# Altium PCB LimeKEY-RPCM_1v2.PcbDoc (part 2 of 8)
Units mm, origin at the board's own origin, x right, y up, seen from the top; angles counter-clockwise.
Board outline 170 x 110 mm, 6 copper layers (Top, L2, L3, L4, L5, Bottom), stack 1.583 mm thick; 727 components, 437 nets, 3165 pads, 1376 vias.
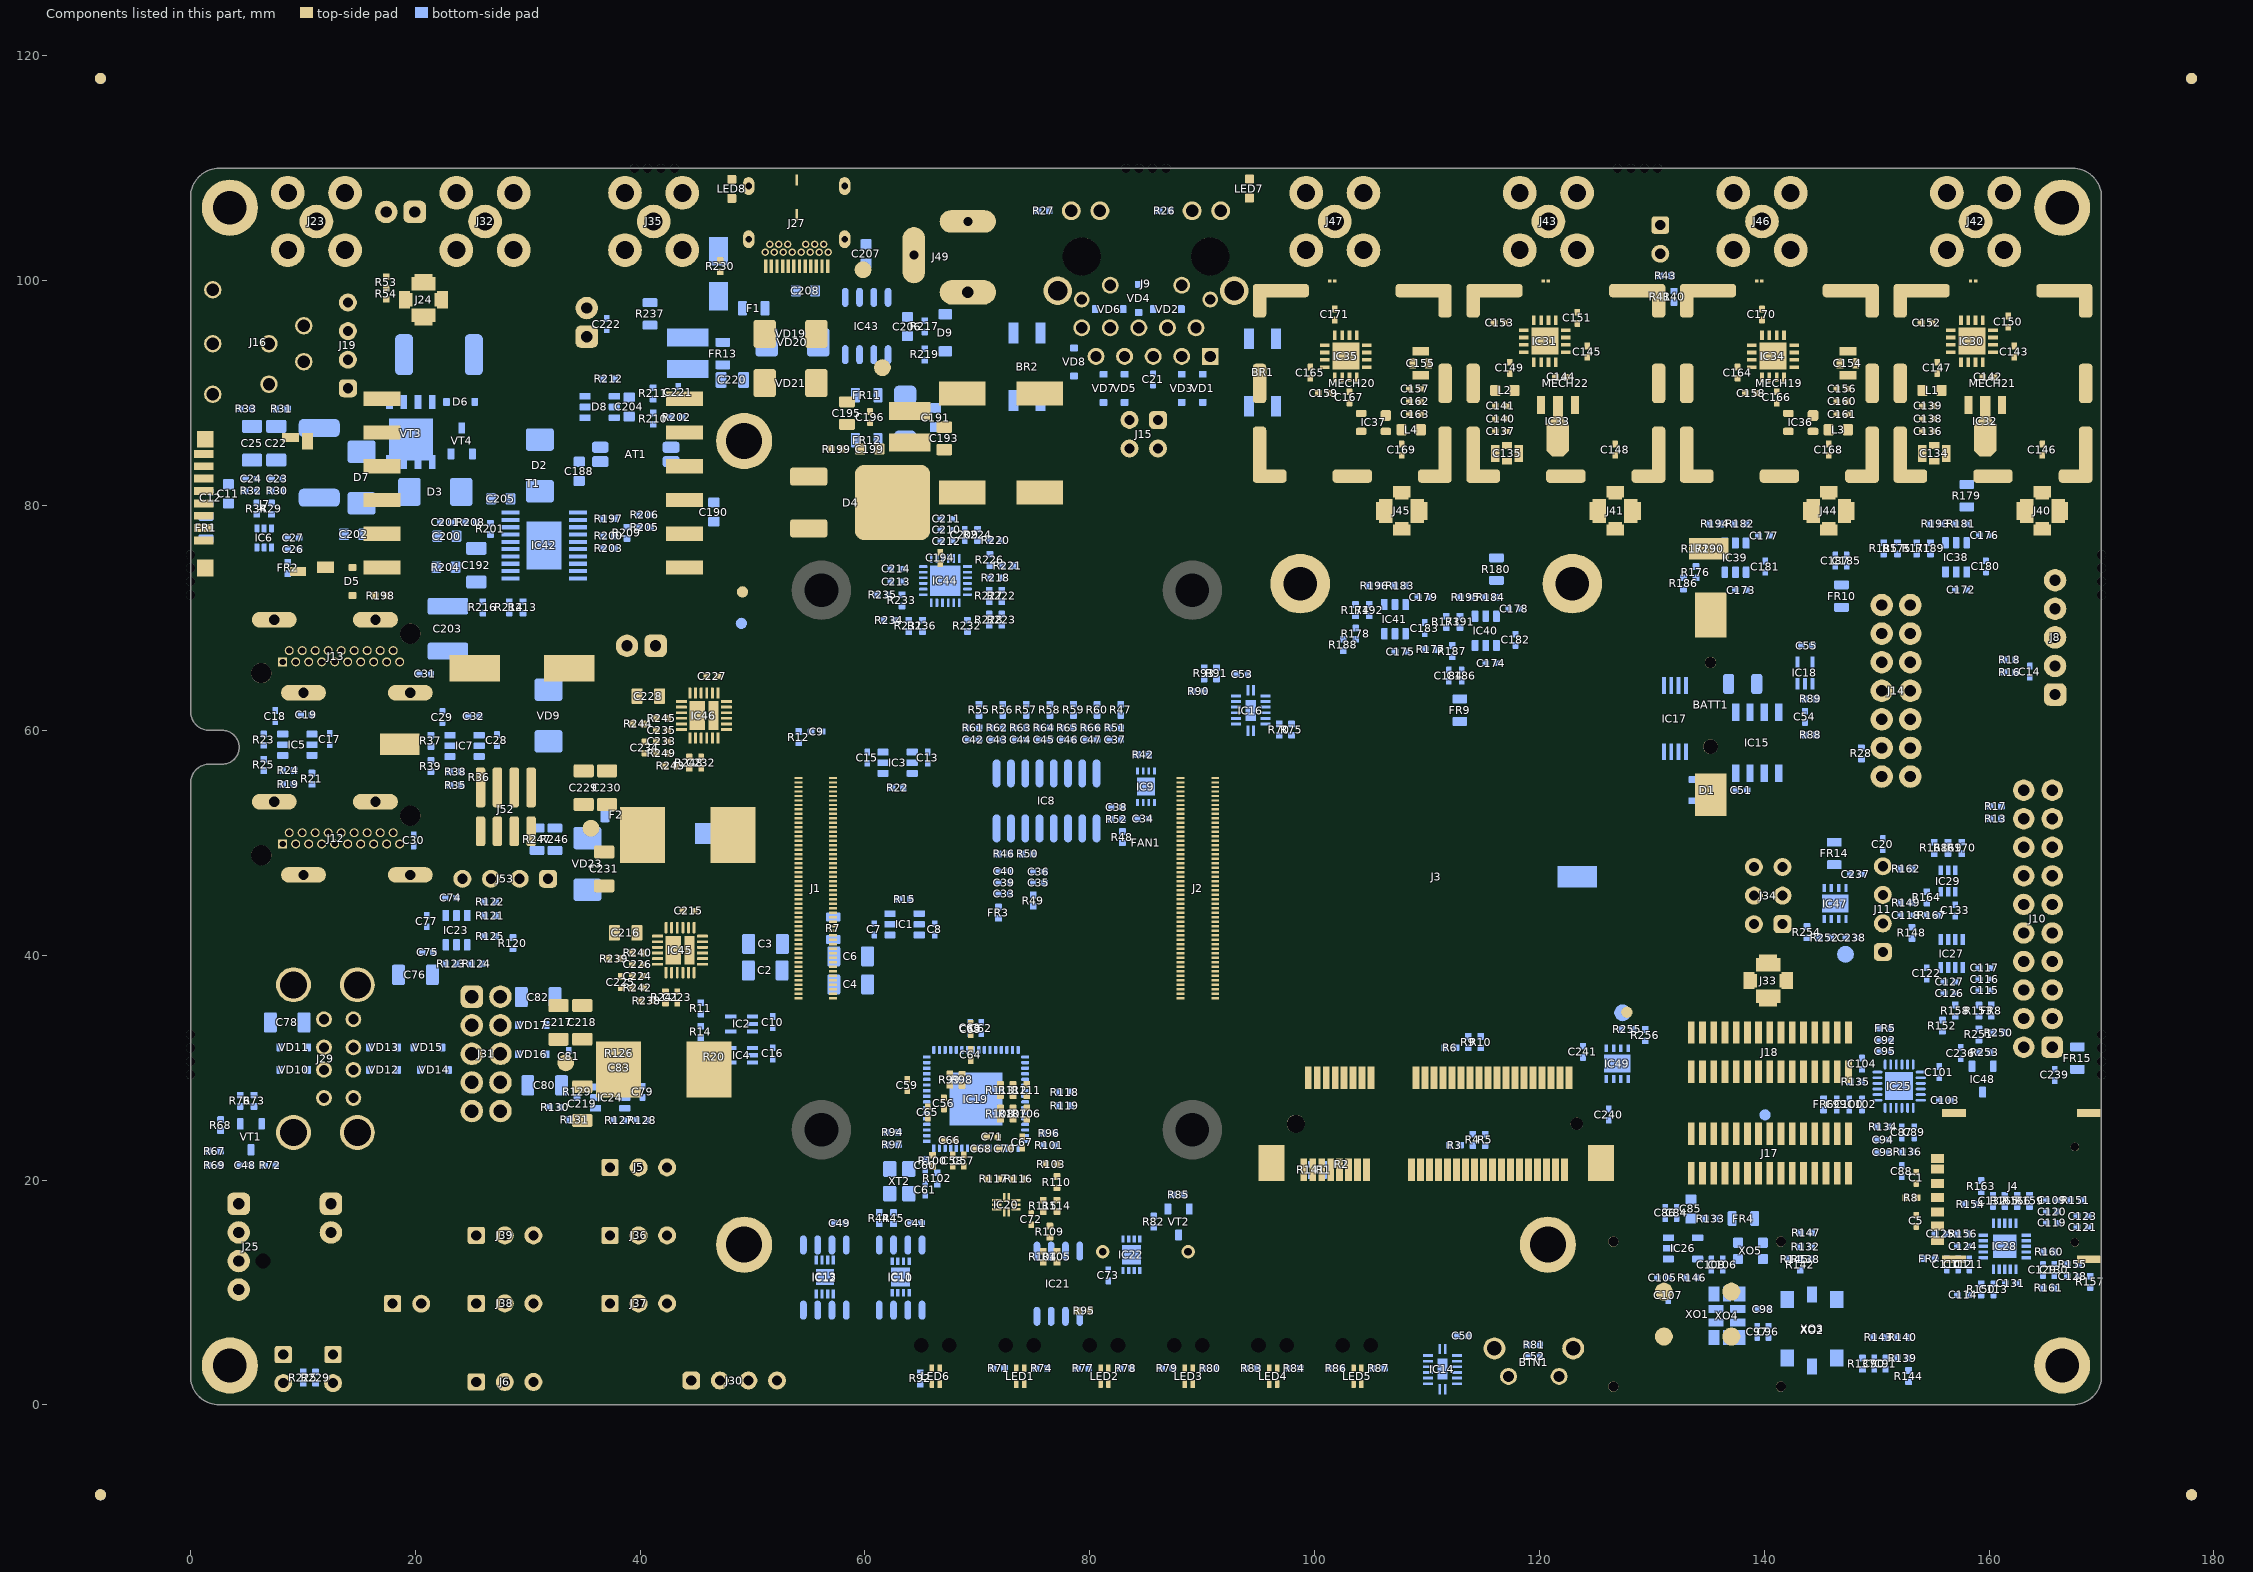
[diagram p6: the components of this part, seen from the top]

## Components (designator, comment, footprint, x,y, rotation, side; value= is the part's Value field where it differs from the comment) (continued)
R239 "44.2k, 1%" RES0402#2 37.7,39.7 r180 top
R240 "100k, 1%" RES0402#2 39.8,40.2 r180 top
R241 "2.21k, 1%" RES0402#2 42.25,36.25 r90 top
R242 "44.2k, 1%" RES0402#2 39.8,37.1 r0 top
R243 "22k, 1%" RES0402#2 42.709,56.834 r180 top
R244 "44.2k, 1%" RES0402#2 39.825,60.575 r180 top
R245 "100k, 1%" RES0402#2 41.925,61.075 r180 top
R246 "100R, 1%" RES0805 32.42,50.314 r270 bottom
R247 "100R, 1%" RES0805 30.825,50.325 r270 bottom
R248 "3k, 1%" RES0402#2 44.375,57.125 r90 top
R249 "44.2k, 1%" RES0402#2 41.925,57.975 r0 top
R250 "1k, 1%" RES0402#1 160.875,33.125 r0 bottom
R251 "0R" RES0402#1 159.1,32.95 r270 bottom
R252 "1.6k, 1%" RES0402#1 145.4,41.55 r0 bottom
R253 "0R" RES0402#1 159.6,31.35 r180 bottom
R254 "510R, 1%" RES0402#1 143.8,42.05 r90 bottom
R255 "1k, 1%" RES0402#1 127.825,33.4 r180 bottom
R256 "1.2k, 1%" RES0402#1 129.425,32.9 r270 bottom
T1 "POE300F-12LD" POE300F50LD_TRANSFORMER 30.5,82 r0 top
TP1 "TESTPOINT_PAD" TP_PAD_1P5MM 61.55,92.275 r0 top
TP2 "TESTPOINT_PAD" TP_PAD_1P5MM 59.825,100.975 r0 top
TP3 "TESTPOINT_PAD" TP_PAD_1P5MM 33.375,30.425 r90 top
TP4 "TESTPOINT_PAD" TP_PAD_1P5MM 35.625,51.3 r180 top
TP5 "TESTPOINT_PAD" TP_PAD_1P5MM 147.225,40.075 r270 bottom
TP6 "TESTPOINT_PAD" TP_PAD_1P5MM 127.4,34.875 r270 bottom
TP7 "TESTPOINT_THT_MINI" TP-SMD-LOW_PROFILE 18.625,58.775 r0 top
TP8 "TESTPOINT_THT_MINI" TP-SMD-LOW_PROFILE 46.625,50.825 r180 bottom
TP9 "TESTPOINT_THT_MINI" TP-SMD-LOW_PROFILE 135.075,76.175 r0 top
TP10 "TESTPOINT_THT_MINI" TP-SMD-LOW_PROFILE 123.35,46.975 r180 bottom
VD1 "TVS" SOD323 90.045,90.425 r90 bottom
VD2 "TVS" SOD323 86.9,97.475 r0 bottom
VD3 "TVS" SOD323 88.175,90.425 r90 bottom
VD4 "TVS" SOD323 84.35,98.425 r270 bottom
VD5 "TVS" SOD323 83.1,90.425 r90 bottom
VD6 "TVS" SOD323 81.725,97.475 r0 bottom
VD7 "TVS" SOD323 81.225,90.425 r90 bottom
VD8 "TVS" SOD323 78.6,92.775 r90 bottom
VD9 "SK36A" SK32A-L_DIODE_DO-214AC#1 31.85,61.325 r270 bottom
VD10 "TVS" SOD323 9.185,29.8 r0 bottom
VD11 "TVS" SOD323 9.185,31.8 r0 bottom
VD12 "TVS" SOD323 17.175,29.8 r180 bottom
VD13 "TVS" SOD323 17.175,31.8 r180 bottom
VD14 "TVS" SOD323 21.7,29.8 r0 bottom
VD15 "TVS" SOD323 21.125,31.8 r0 bottom
VD16 "TVS" SOD323 30.394,31.194 r180 bottom
VD17 "TVS" SOD323 30.394,33.78 r180 bottom
VD18 "SMAJ58A" SMAJ58A_SHOTTKY_DIODE 63.575,87.825 r90 bottom
VD19 "SK36A" SK32A-L_DIODE_DO-214AC#2 53.375,95.275 r0 top
VD20 "SK36A" SK32A-L_DIODE_DO-214AC#1 53.55,94.525 r0 bottom
VD21 "SK36A" SK32A-L_DIODE_DO-214AC#2 53.375,90.9 r0 top
VD22 "SMBJ14A" SMAJ12CA-13-F 46.975,100.575 r270 bottom
VD23 "SK36A" SK32A-L_DIODE_DO-214AC#1 35.3,48.125 r270 bottom
VT1 "IRLML6244" SOT23-3 5.375,23.85 r270 bottom
VT2 "IRLML6244" SOT23-3 87.9,16.27 r270 bottom
VT3 "FDMS86250" FDMS86250_NMOS_POWER56 19.6,86.55 r0 bottom
VT4 "BFT92,215" BFT92,215_PNP_STO23-3 24.125,85.75 r90 bottom
XO1 "U7475LF 30.72MHz" AOCJYR-10.000MHz 134.075,8.075 r0 top
XO2 "E6245LF 30.72 MHz" RAKON_RPT7050A 144.264,6.615 r270 bottom
XO3 "E5280LF 30.72MHz" RAKON_TXCO 144.264,6.615 r270 bottom
XO4 "RTX5032A, 40.00MHz" RAKON_RTX5032A 136.675,7.925 r90 bottom
XO5 "38.4MHz VCTCXO" CRYSTAL_4-LCC_2P5x2P0 138.775,13.7 r0 bottom
XT1 "32.768kHz" CRYSTAL_2PIN_RTC_RT3215 138.08,64.134 r0 bottom
XT2 "24MHz" CRYSTAL_4-LCC 63.05,19.886 r270 bottom

## Footprints (in the part's own frame and the unit in brackets; to place one, negate y for a bottom-side part, rotate by r counter-clockwise, add the part's x,y. Pads: shape width x height; smd on the part's side, far side on the other; paste and mask are expansions set on the pad)
12CWQ06FN_diode_array_DPAK [mm]
  round 0.508 on Mech15: 0(0,0)
  rrect25% 3.3x1.6 smd: 1(3.526,-2.3) 3(3.526,2.3)
  rrect25% 6.7x6.7 smd: 2(-3.926,0)
  silkscreen extent -5.13,-3.6 5.9,3.7, body extent -5.93,-3.37 4.17,3.37, height 2.37
74AHCT1G126SE-7_BUFFER_SOT353 [mm]
  rect 1x0.36 smd mask+0.05: 1(-0.965,0.66) 2(-0.965,0) 3(-0.965,-0.66) 4(0.965,-0.66) 5(0.965,0.66)
  silkscreen extent -1.17,-1.1 0.63,1.25, body extent -1.15,-1.05 1.15,1.05, height 1
74HC595BQ,115 [mm]
  rect 0.9x0.25 smd mask+0.05: 1(-1.8,-0.25) 8(1.8,-0.25) 9(1.8,0.25) 16(-1.8,0.25)
  rect 0.25x0.9 smd mask+0.05: 2(-1.3,-1.3) 3(-0.8,-1.3) 4(-0.3,-1.3) 5(0.2,-1.3) 6(0.7,-1.3) 7(1.2,-1.3) 10(1.2,1.3) 11(0.7,1.3) 12(0.2,1.3) 13(-0.3,1.3) 14(-0.8,1.3) 15(-1.3,1.3)
  rect 1.9x0.9 smd paste-2 mask+0.05: PAD(0,0)
  silkscreen extent -2.3,-1.8 2.3,1.8, body extent -1.8,-1.07 1.8,1.08, height 1
874370443_1P5_SMD_HEADER [mm] "Supercapacitor 1.5mm pitch header"
  rrect50% 3.55x0.85 smd mask+0.05: 1(-1.95,2.25) 2(-1.95,0.75) 3(-1.95,-0.75) 4(-1.95,-2.25)
  rrect50% 2.65x0.85 smd mask+0.05: 1(1.95,2.25) 2(1.95,0.75) 3(1.95,-0.75) 4(1.95,-2.25)
  silkscreen extent -4.1,-3.9 3.5,3.8, body extent -3.25,-3.7 2.75,3.6, height 5.77
AD5601_SOT23-6 [mm] "SOT23, 6-Leads, Body 2x1.3mm, Pitch 0.65mm, Lead Span 2.1mm, IPC Medium Density"
  rect 0.85x0.4 smd mask+0.05: 1(-0.95,0.65) 2(-0.95,0) 3(-0.95,-0.65) 4(0.95,-0.65) 5(0.95,0) 6(0.95,0.65)
  silkscreen extent -1.07,-1.1 0.15,1.52, body extent -1.05,-1 1.05,1, height 0.43
AD5662_SOT23-8 [mm]
  rect 1x0.4 smd mask+0.05: 1(-1.25,0.975) 2(-1.25,0.325) 3(-1.25,-0.325) 4(-1.25,-0.975) 5(1.25,-0.975) 6(1.25,-0.325) 7(1.25,0.325) 8(1.25,0.975)
  silkscreen extent -1.29,-1.4 0.3,1.51, body extent -1.4,-1.49 1.4,1.45, height 1.2
ADF4002 [mm]
  rect 0.85x0.3 smd mask+0.05: 1(-2.05,1) 2(-2.05,0.5) 3(-2.05,0) 4(-2.05,-0.5) 5(-2.05,-1) 11(2.05,-1) 12(2.05,-0.5) 13(2.05,0) 14(2.05,0.5) 15(2.05,1)
  rect 0.3x0.85 smd mask+0.05: 6(-1,-1.9) 7(-0.5,-1.9) 8(0,-1.9) 9(0.5,-1.9) 10(1,-1.9) 16(1,1.9) 17(0.5,1.9) 18(0,1.9) 19(-0.5,1.9) 20(-1,1.9)
  rect 2.1x2.1 smd: 21(0,0)
  silkscreen extent -2.3,-2.22 2.3,2.22, body extent -2.03,-2.02 2.02,2.02, height 0.8
ADP2386 [mm] "QFN, 24-Leads, Body 4,00x4,00mm, Pitch 0,50mm, 2x thermal pads, IPC Medium Density"
  rrect50% 1x0.25 smd mask+0.05: 1(-2,1.25) 2(-2,0.75) 3(-2,0.25) 4(-2,-0.25) 5(-2,-0.75) 6(-2,-1.25) 13(2,-1.25) 14(2,-0.75) 15(2,-0.25) 16(2,0.25) 17(2,0.75) 18(2,1.25)
  rrect50% 0.25x1 smd mask+0.05: 7(-1.25,-2) 8(-0.75,-2) 9(-0.25,-2) 10(0.25,-2) 11(0.75,-2) 12(1.25,-2) 19(1.25,2) 20(0.75,2) 21(0.25,2) 22(-0.25,2) 23(-0.75,2) 24(-1.25,2)
  rect 2.55x1.4 smd mask+0.05: 25(0,0.6)
  rect 2.55x0.9 smd mask+0.05: 26(0,-0.85)
  silkscreen extent -2.22,-2.22 2.22,2.23, body extent -2,-2 2,2, height 1
AOCJYR-10.000MHz [mm]
  round 0.9 hole 0.9 unplated: 0(-7.5,6.45) 0(-7.5,-6.45) 0(7.4,-6.45) 0(7.4,6.45)
  round 1.6 smd mask+0.05: 1(-3,-2) 2(3,-2) 3(3,2) 4(-3,2)
  Top pour cut-out: 7.4,-6.45 7.4,-5.35 7.821,-5.434 8.178,-5.672 8.416,-6.029 8.5,-6.45 8.5,-6.45
  Top pour cut-out: 7.4,-6.45 7.4,-7.55 6.979,-7.466 6.622,-7.228 6.384,-6.871 6.3,-6.45 6.3,-6.45
  Top pour cut-out: 7.4,-6.45 6.3,-6.45 6.384,-6.029 6.622,-5.672 6.979,-5.434 7.4,-5.35 7.4,-5.35
  Top pour cut-out: 7.4,-6.45 8.5,-6.45 8.416,-6.871 8.178,-7.228 7.821,-7.466 7.4,-7.55 7.4,-7.55
  Top pour cut-out: -7.5,-6.45 -6.4,-6.45 -6.484,-6.871 -6.722,-7.228 -7.079,-7.466 -7.5,-7.55 -7.5,-7.55
  Top pour cut-out: -7.5,-6.45 -8.6,-6.45 -8.516,-6.029 -8.278,-5.672 -7.921,-5.434 -7.5,-5.35 -7.5,-5.35
  Top pour cut-out: -7.5,-6.45 -7.5,-7.55 -7.921,-7.466 -8.278,-7.228 -8.516,-6.871 -8.6,-6.45 -8.6,-6.45
  Top pour cut-out: -7.5,-6.45 -7.5,-5.35 -7.079,-5.434 -6.722,-5.672 -6.484,-6.029 -6.4,-6.45 -6.4,-6.45
  Top pour cut-out: -7.5,6.45 -6.4,6.45 -6.484,6.029 -6.722,5.672 -7.079,5.434 -7.5,5.35 -7.5,5.35
  Top pour cut-out: -7.5,6.45 -8.6,6.45 -8.516,6.871 -8.278,7.228 -7.921,7.466 -7.5,7.55 -7.5,7.55
  Top pour cut-out: -7.5,6.45 -7.5,5.35 -7.921,5.434 -8.278,5.672 -8.516,6.029 -8.6,6.45 -8.6,6.45
  Top pour cut-out: -7.5,6.45 -7.5,7.55 -7.079,7.466 -6.722,7.228 -6.484,6.871 -6.4,6.45 -6.4,6.45
  Top pour cut-out: 7.4,6.45 8.5,6.45 8.416,6.029 8.178,5.672 7.821,5.434 7.4,5.35 7.4,5.35
  Top pour cut-out: 7.4,6.45 6.3,6.45 6.384,6.871 6.622,7.228 6.979,7.466 7.4,7.55 7.4,7.55
  Top pour cut-out: 7.4,6.45 7.4,5.35 6.979,5.434 6.622,5.672 6.384,6.029 6.3,6.45 6.3,6.45
  Top pour cut-out: 7.4,6.45 7.4,7.55 7.821,7.466 8.178,7.228 8.416,6.871 8.5,6.45 8.5,6.45
  Top pour cut-out: 4.9,-0.5 4.9,3.9 -4.9,3.9 -4.9,-3.9 1.525,-3.9 1.525,-0.5
  silkscreen extent -9,-8 9,8, body extent -8.05,-7.01 7.95,6.99, height 10
AP7361 [mm] "Low noise LDO"
  rect 0.7x0.3 smd mask+0.05: 1(-1.375,0.975) 2(-1.375,0.325) 3(-1.375,-0.325) 4(-1.375,-0.975) 5(1.375,-0.975) 6(1.375,-0.325) 7(1.375,0.325) 8(1.375,0.975)
  rect 1.6x2.35 smd mask+0.05: 9(0,0)
  silkscreen extent -2,-1.7 2,1.7, body extent -1.52,-1.5 1.5,1.5, height 0.8
ATECC508A_UDFN8 [mm]
  rect 0.8x0.3 smd mask+0.05: 1(-1.5,0.75) 2(-1.5,0.25) 3(-1.5,-0.25) 4(-1.5,-0.75) 5(1.5,-0.75) 6(1.5,-0.25) 7(1.5,0.25) 8(1.5,0.75)
  rect 1.4x1.6 smd mask+0.05: PAD(0,0)
  silkscreen extent -1.64,-1.1 1.2,1.24, body extent -1.5,-1 1.5,1, height 0.53
Audio_jack_3.5mm [mm]
  round 1.55 hole 1.1 mask+0.05: 1(2.9,4.8) 2(7.9,-3.6) 3(11,1.6) 4(2.9,-4.5) 5(11,-1.6) 6(2.9,0) 7(7.9,0)
  silkscreen extent 1.3,-5.3 11.6,5, body extent -2.5,-5.3 11.5,4.9, height 5.2
BAS316_DIODE_SOD323#1 [mm]
  round 0.508 on Mech15: 0(0,0)
  rrect25% 0.6x0.7 smd: A(1.25,0) C(-1.25,0)
  silkscreen extent -0.63,-0.9 0.64,0.75, body extent -1.3,-0.68 1.3,0.68, height 1.1
BAS316_DIODE_SOD323#2 [mm]
  round 0.508 on Mech14: 0(0,0)
  rrect25% 0.6x0.7 smd: A(1.25,0) C(-1.25,0)
  silkscreen extent -0.63,-0.9 0.64,0.75, body extent -1.3,-0.68 1.3,0.67, height 1.1
BAT54C_SOT23-3 [mm] "SOT23, 3 pin"
  round 0.5 on Mech14: 0(0,0)
  rrect25% 1x0.6 smd: A1(-1.15,0.95) A2(-1.15,-0.95) C(1.15,0)
  silkscreen extent -1.25,-1.45 0.38,1.81, body extent -1.4,-1.45 1.4,1.45, height 1.29
BFT92,215_PNP_STO23-3 [mm]
  round 0.5 on Mech14: 0(0,0)
  rrect25% 1x0.6 smd: 1(-1.15,0.95) 2(-1.15,-0.95) 3(1.15,0)
  silkscreen extent -1.25,-1.45 0.38,1.81, body extent -1.4,-1.45 1.4,1.45, height 1.29
BUZZER_WST-1203UX [mm]
  round 1.2 hole 0.7 mask+0.05: 1(0,3.8) 2(0,-3.8)
  silkscreen extent -6.3,-6.3 6.3,6.3, body extent -6,-6.03 6,9.43, height 9.65
CAP0402#1 [mm] "Chip Capacitor, Body 1.0x0.5mm, 0402, IPC Medium Density"
  round 0.2 on Mech15: 0(0,0)
  rrect20% 0.6x0.5 smd: 1(-0.5,0) 2(0.5,0)
  Top pour cut-out: -0.2,0.35 0.2,0.35 0.2,-0.35 -0.2,-0.35
  silkscreen extent -1.05,-0.5 1.05,0.5, body extent -0.52,-0.27 0.53,0.28, height 0.55
CAP0402#2 [mm] "Chip Capacitor, Body 1.0x0.5mm, 0402, IPC Medium Density"
  round 0.2 on Mech14: 0(0,0)
  rrect20% 0.6x0.5 smd: 1(-0.5,0) 2(0.5,0)
  Top pour cut-out: -0.2,0.35 0.2,0.35 0.2,-0.35 -0.2,-0.35
  silkscreen extent -1.05,-0.5 1.05,0.5, body extent -0.52,-0.27 0.53,0.28, height 0.55
CAP0603#1 [mm] "Chip Capacitor, Body 1.6x0.8mm, 0603, IPC Medium Density"
  round 0.254 on Mech14: 0(0,0)
  rrect25% 0.9x1 smd: 1(-0.85,0) 2(0.85,0)
  Top pour cut-out: -0.4,0.6 0.4,0.6 0.4,-0.6 -0.4,-0.6
  silkscreen extent -0.18,-0.48 0.18,0.48, body extent -0.85,-0.45 0.85,0.45, height 0.89
CAP0603#2 [mm] "Chip Capacitor, Body 1.6x0.8mm, 0603, IPC Medium Density"
  round 0.254 on Mech15: 0(0,0)
  rrect25% 0.9x1 smd: 1(-0.85,0) 2(0.85,0)
  Top pour cut-out: -0.4,0.6 0.4,0.6 0.4,-0.6 -0.4,-0.6
  silkscreen extent -0.18,-0.48 0.18,0.48, body extent -0.85,-0.45 0.85,0.45, height 0.89
CAP0805#1 [mm] "Chip Capacitor, Body 2.0x1.2mm, 0805, IPC Medium Density"
  round 0.254 on Mech15: 0(0,0)
  rrect25% 1x1.4 smd: 1(-1,0) 2(1,0)
  Top pour cut-out: -0.4,0.8 0.4,0.8 0.4,-0.8 -0.4,-0.8
  silkscreen extent -0.15,-0.65 0.15,0.65, body extent -1.1,-0.72 1.1,0.73, height 1.34
CAP0805#2 [mm] "Chip Capacitor, Body 2.0x1.2mm, 0805, IPC Medium Density"
  round 0.254 on Mech14: 0(0,0)
  rrect25% 1x1.4 smd: 1(-1,0) 2(1,0)
  Top pour cut-out: -0.4,0.8 0.4,0.8 0.4,-0.8 -0.4,-0.8
  silkscreen extent -0.15,-0.65 0.15,0.65, body extent -1.1,-0.72 1.1,0.73, height 1.34
CAP0805_FEEDTHROUGH [mm]
  rect 0.75x1.5 smd mask+0.05: 1(-1.05,0) 3(1.05,0)
  rect 0.9x0.6 smd mask+0.05: 2(0,0.7) 2(0,-0.7)
  Top region: -0.375,-0.4
  Top region: -0.45,-0.675 -0.45,0.675 0.45,0.675 0.45,-0.675
  Top region: 0.375,0.425
  silkscreen extent -1.6,-1 1.6,1, body extent -1,-0.62 1,0.63, height 1.13
CAP1206#1 [mm] "Chip Capacitor, Body 3.2x1.6mm, 1206, IPC Medium Density"
  round 0.508 on Mech14: 0(0,0)
  rrect25% 1.15x1.8 smd: 1(-1.5,0) 2(1.5,0)
  silkscreen extent -0.4,-0.88 0.4,0.88, body extent -1.7,-0.9 1.7,0.9, height 1.74
CAP1206#2 [mm] "Chip Capacitor, Body 3.2x1.6mm, 1206, IPC Medium Density"
  round 0.508 on Mech15: 0(0,0)
  rrect25% 1.15x1.8 smd: 1(-1.5,0) 2(1.5,0)
  silkscreen extent -0.4,-0.88 0.4,0.88, body extent -1.7,-0.9 1.7,0.9, height 1.74
CAP1812 [mm] "Chip Capacitor, Body 3.2x2.5mm, 1210, IPC Medium Density"
  round 0.508 on Mech14: 0(0,0)
  rrect25% 1.5x3.6 smd: 1(-2,0) 2(2,0)
  silkscreen extent -0.4,-1.4 0.4,1.4, body extent -2.4,-1.7 2.4,1.8, height 1.54
CAP_POL_D10_H10 [mm]
  rect 4.5x2.35 smd: 1(-4.2,0) 2(4.2,0)
  silkscreen extent -6.65,-5.5 6.68,5.5, body extent -5.9,-5.25 5.9,5.25, height 10.3
CAP_POL_SIZE_F_v2 [mm]
  rect 4.15x2.15 smd: 1(-3.45,0) 2(3.45,0)
  silkscreen extent -4.15,-4.15 4.15,4.15, body extent -3.63,-3.3 3.57,3.3, height 5.55
CONN_PWR_JACK_v2 [mm] "Power Connector, 2.1mm ID, 5.5mm OD"
  oval 5x2.2 hole 1 slot 3.56 at 0 deg: 1(0,-14)
  oval 5x2 hole 0.8 slot 3.05 at 0 deg: 2(0,-7.7)
  oval 2x5 hole 0.8 slot 3.05 at 90 deg: 3(-4.8,-10.7)
  silkscreen extent -4.9,-15.5 4.93,-3, body extent -4.9,-14.1 4.5,0, height 11
CR1220_SMD_holder [mm]
  round 1 hole 1 unplated mask+0.05: MECH(-3.5,0)
  round 1.3 hole 1.3 unplated mask+0.05: MECH(4,0)
  rect 4x2.8 smd mask+0.05: NEGATIVE(-7.7,0)
  rect 3.8x2.8 smd mask+0.05: POSITIVE(8.275,0.025)
  silkscreen extent -10,-7.75 10.5,7.75, body extent -8.75,-7.5 9.75,7.5, height 3.94
CRYSTAL_2PIN_RTC_RT3215 [mm]
  rrect50% 1x1.8 smd mask+0.05: 1(-1.25,0) 2(1.25,0)
  silkscreen extent -2,-1.1 2,1.1, body extent -1.61,-0.76 1.61,0.76, height 0.91
CRYSTAL_4-LCC [mm] "SMD Crystal 4-lead leadless package"
  round 0.508 on Mech14: 0(0,0)
  rrect25% 1.4x1.2 smd: 1(-1.1,-0.85) 2(1.1,-0.85) 3(1.1,0.85) 4(-1.1,0.85)
  silkscreen extent -2.3,-1.6 2,1.6, body extent -1.65,-1.3 1.65,1.3, height 0.8
CRYSTAL_4-LCC_2P5x2P0 [mm] "SMD Crystal 4-lead leadless package 2.5x2.0 mm"
  rrect25% 0.9x0.9 smd: 1(-1.1,-0.725) 2(1.1,-0.725) 3(1.1,0.725) 4(-1.1,0.725)
  silkscreen extent -1.92,-1.28 0.38,1.28, body extent -1.25,-1 1.25,1, height 0.95
DUAL_USB-C_632723100011 [mm]
  rect 0.3x1.2 smd mask+0.05: A1(-2.75,5.93) A2(-2.25,5.93) A3(-1.75,5.93) A4(-1.25,5.93) A5(-0.75,5.93) A6(-0.25,5.93) A7(0.25,5.93) A8(0.75,5.93) A9(1.25,5.93) A10(1.75,5.93) A11(2.25,5.93) A12(2.75,5.93)
  round 0.65 hole 0.4 mask+0.04: B1(2.8,4.68) B2(2.4,3.98) B3(1.6,3.98) B4(1.2,4.68) B5(0.8,3.98) B6(0.4,4.68) B7(-0.4,4.68) B8(-0.8,3.98) B9(-1.2,4.68) B10(-1.6,3.98) B11(-2.4,3.98) B12(-2.8,4.68) GND(-2,4.68) GND1(2,4.68)
  oval 1x1.6 hole 0.6 slot 1.2 at 90 deg mask+0.05: Shell(-4.27,3.53) Shell(-4.27,-1.2) Shell(4.27,3.53) Shell(4.27,-1.2)
  rect 0.2x1 smd mask+0.05: Shell(0,1.35) Shell(0,-1.75)
  silkscreen extent -4.37,-4.45 4.34,5, body extent -4.37,-5.6 4.37,6.19, height 3.05
ER2D-LTP_DIODE_DO-214AA [mm]
  round 0.508 on Mech14: 0(0,0)
  rrect25% 2x2.5 smd: A(2.3,0) C(-2.3,0)
  silkscreen extent -3.5,-2.2 3.5,1.7, body extent -2.7,-1.8 2.7,1.8, height 2.3
ESD8472_X3DFN2 [mm]
  rect 0.31x0.3 smd mask+0.05: 1(-0.225,0) 2(0.225,0)
  silkscreen extent -0.2,-0.33 0.2,0.33, body extent -0.34,-0.17 0.34,0.18, height 0.33
FAN_80mm_V1 [mm]
  round 5 hole 3.2 mask+0.05: 1(-35.75,-35.75) 1(-35.75,35.75) 1(35.75,-35.75)
  body extent -66.34,-40 40,40, height 30
FDMS86250_NMOS_POWER56 [mm]
  rect 0.61x1.27 smd mask+0.05: 1(-1.905,-2.67) 2(-0.635,-2.67) 3(0.635,-2.67) 4(1.905,-2.67)
  rect 0.61x0.77 smd mask+0.05: 5(1.905,2.92) 6(0.635,2.92) 7(-0.635,2.92) 8(-1.905,2.92)
  rect 0.255x0.5 smd mask+0.05: 5(2.083,2.285) 8(-2.083,2.285)
  rect 3.91x3.75 smd mask+0.05: PAD(0,0.66)
  silkscreen extent -2.6,-3.7 2.45,2.88, body extent -2.45,-3.24 2.45,3.24, height 1.2
FDVE1040_TOKO_INDUCTOR [mm] "Precision Wire Wound Inductor"
  rect 4x5 smd: 1(-4.025,0) 2(4.025,0)
  silkscreen extent -5.5,-5 5.5,5, body extent -5.55,-5.26 5.45,5.26, height 4.72
Fiducial [mm]
  round 1 smd paste-1 mask+1: 1(0,0)
  Top pour cut-out: 0,1.5 -0.574,1.386 -1.061,1.061 -1.386,0.574 -1.5,0 -1.5,0 -1.386,-0.574 -1.061,-1.061 -0.574,-1.386 0,-1.5 0,-1.5 0.574,-1.386 1.061,-1.061 1.386,-0.574 1.5,0 1.5,0 1.386,0.574 1.061,1.061 0.574,1.386 0,1.5
Fiducial_local [mm]
  round 1 smd paste-1 mask+0.5: 1(0,0)
  Top pour cut-out: -1.05,0 -0.97,-0.402 -0.742,-0.742 -0.402,-0.97 0,-1.05 0,-1.05 0.402,-0.97 0.742,-0.742 0.97,-0.402 1.05,0 1.05,0 0.97,0.402 0.742,0.742 0.402,0.97 0,1.05 0,1.05 -0.402,0.97 -0.742,0.742 -0.97,0.402 -1.05,0
FP-DF40C-100DS-0.4V(51) [mm]
  rect 0.2x0.7 smd mask+0: 1(-9.8,-1.54) 2(-9.8,1.54) 3(-9.4,-1.54) 4(-9.4,1.54) 5(-9,-1.54) 6(-9,1.54) 7(-8.6,-1.54) 8(-8.6,1.54) 9(-8.2,-1.54) 10(-8.2,1.54) 11(-7.8,-1.54) 12(-7.8,1.54) 13(-7.4,-1.54) 14(-7.4,1.54) 15(-7,-1.54) 16(-7,1.54) 17(-6.6,-1.54) 18(-6.6,1.54) 19(-6.2,-1.54) 20(-6.2,1.54) 21(-5.8,-1.54) 22(-5.8,1.54) 23(-5.4,-1.54) 24(-5.4,1.54) 25(-5,-1.54) 26(-5,1.54) 27(-4.6,-1.54) 28(-4.6,1.54) 29(-4.2,-1.54) 30(-4.2,1.54) 31(-3.8,-1.54) 32(-3.8,1.54) 33(-3.4,-1.54) 34(-3.4,1.54) 35(-3,-1.54) 36(-3,1.54) 37(-2.6,-1.54) 38(-2.6,1.54) 39(-2.2,-1.54) 40(-2.2,1.54) 41(-1.8,-1.54) 42(-1.8,1.54) 43(-1.4,-1.54) 44(-1.4,1.54) 45(-1,-1.54) 46(-1,1.54) 47(-0.6,-1.54) 48(-0.6,1.54) 49(-0.2,-1.54) 50(-0.2,1.54) 51(0.2,-1.54) 52(0.2,1.54) 53(0.6,-1.54) 54(0.6,1.54) 55(1,-1.54) 56(1,1.54) 57(1.4,-1.54) 58(1.4,1.54) 59(1.8,-1.54) 60(1.8,1.54) 61(2.2,-1.54) 62(2.2,1.54) 63(2.6,-1.54) 64(2.6,1.54) 65(3,-1.54) 66(3,1.54) 67(3.4,-1.54) 68(3.4,1.54) 69(3.8,-1.54) 70(3.8,1.54) 71(4.2,-1.54) 72(4.2,1.54) 73(4.6,-1.54) 74(4.6,1.54) 75(5,-1.54) 76(5,1.54) 77(5.4,-1.54) 78(5.4,1.54) 79(5.8,-1.54) 80(5.8,1.54) 81(6.2,-1.54) 82(6.2,1.54) 83(6.6,-1.54) 84(6.6,1.54) 85(7,-1.54) 86(7,1.54) 87(7.4,-1.54) 88(7.4,1.54) 89(7.8,-1.54) 90(7.8,1.54) 91(8.2,-1.54) 92(8.2,1.54) 93(8.6,-1.54) 94(8.6,1.54) 95(9,-1.54) 96(9,1.54) 97(9.4,-1.54) 98(9.4,1.54) 99(9.8,-1.54) 100(9.8,1.54)
  silkscreen extent -11.4,-1.57 11.4,1.57, body extent -11.3,-1.69 11.3,1.69, height 1.4
FPC_CONNECTOR_15pin_1-1734248-5 [mm]
  rect 0.6x2 smd mask+0.05: 1(7,-1.75) 1(7,1.75) 2(6,-1.75) 2(6,1.75) 3(5,-1.75) 3(5,1.75) 4(4,1.75) 4(4,-1.75) 5(3,-1.75) 5(3,1.75) 6(2,-1.75) 6(2,1.75) 7(1,-1.75) 7(1,1.75) 8(0,-1.75) 8(0,1.75) 9(-1,-1.75) 9(-1,1.75) 10(-2,-1.75) 10(-2,1.75) 11(-3,-1.75) 11(-3,1.75) 12(-4,-1.75) 12(-4,1.75) 13(-5,-1.75) 13(-5,1.75) 14(-6,-1.75) 14(-6,1.75) 15(-7,-1.75) 15(-7,1.75)
  silkscreen extent -11,-1.5 11,1.5, body extent -11.2,-2.45 11.2,2.4, height 5.68
FSUSB42UMX [mm]
  rect 0.91x0.22 smd mask+0.1: 1(-0.6,0.2)
  rect 0.81x0.22 smd mask+0.1: 2(-0.65,-0.2) 6(0.65,-0.2) 7(0.65,0.2)
  rect 0.22x0.81 smd mask+0.1: 3(-0.4,-0.85) 4(0,-0.85) 5(0.4,-0.85) 8(0.4,0.85) 9(0,0.85) 10(-0.4,0.85)
  silkscreen extent -1.08,-1.28 1.08,1.28, body extent -0.7,-0.9 0.7,0.9, height 0.51
HDMI_HD01-19-RA-TH [mm]
  rect 0.8x0.8 hole 0.55 mask+0.05: 1(0,0)
  round 0.8 hole 0.55 mask+0.05: 2(-0.578,-1) 3(-1.156,0) 4(-1.734,-1) 5(-2.312,0) 6(-2.89,-1) 7(-3.468,0) 8(-4.046,-1) 9(-4.624,0) 10(-5.202,-1) 11(-5.78,0) 12(-6.358,-1) 13(-6.936,0) 14(-7.514,-1) 15(-8.092,0) 16(-8.67,-1) 17(-9.248,0) 18(-9.826,-1) 19(-10.404,0)
  oval 4x1.4 hole 0.9 slot 2.7 at 0 deg: S1(-1.85,2.75) S2(-11.35,2.75) S3(-8.25,-3.75) S4(0.75,-3.75)
  round 1.8 hole 1.8 unplated: ""(-11.35,-2.5) ""(1.9,1)
  silkscreen extent -12.7,-4.35 10.4,4.02, body extent -12.7,-4.45 10.4,3.43, height 16.43
HDR_1x2 [mm]
  rrect25% 1.524x1.524 hole 0.9: 1(0,1.27)
  round 1.6 hole 0.9: 2(0,-1.27)
  silkscreen extent -1.4,-2.68 1.4,2.68, body extent -1.27,-2.54 1.27,2.54, height 8.54
HDR_1x3 [mm]
  rrect25% 1.524x1.524 hole 0.9: 1(0,2.54)
  round 1.6 hole 0.9: 2(0,0) 3(0,-2.54)
  silkscreen extent -1.53,-4.05 1.53,4.05, body extent -1.27,-3.81 1.27,3.81, height 8.54
Header1x2_TH_LOCKING [mm]
  rrect50% 2x2 hole 1: 1(1.271,0)
  round 2 hole 1: 2(-1.271,0)
  silkscreen extent -2.8,-3.28 2.8,3.45, body extent -2.54,-2.9 2.54,2.9, height 11.52
Header1x4_TH_LOCKING_v2 [mm]
  round 0.25 hole 1.3 unplated mask+0.05: 0(-1.271,-2.16)
  rrect50% 2x2 hole 1: 1(3.814,0)
  round 2 hole 1: 2(1.271,0) 3(-1.271,0) 4(-3.814,0)